# Altium PCB 6502_carrier.PcbDoc (part 1 of 2)
Units mil, origin at the board's own origin, x right, y up, seen from the top; angles counter-clockwise.
Board outline 6960 x 3485 mil, 2 copper layers (Top Layer, Bottom Layer); 111 components, 122 nets, 577 pads, 194 vias.
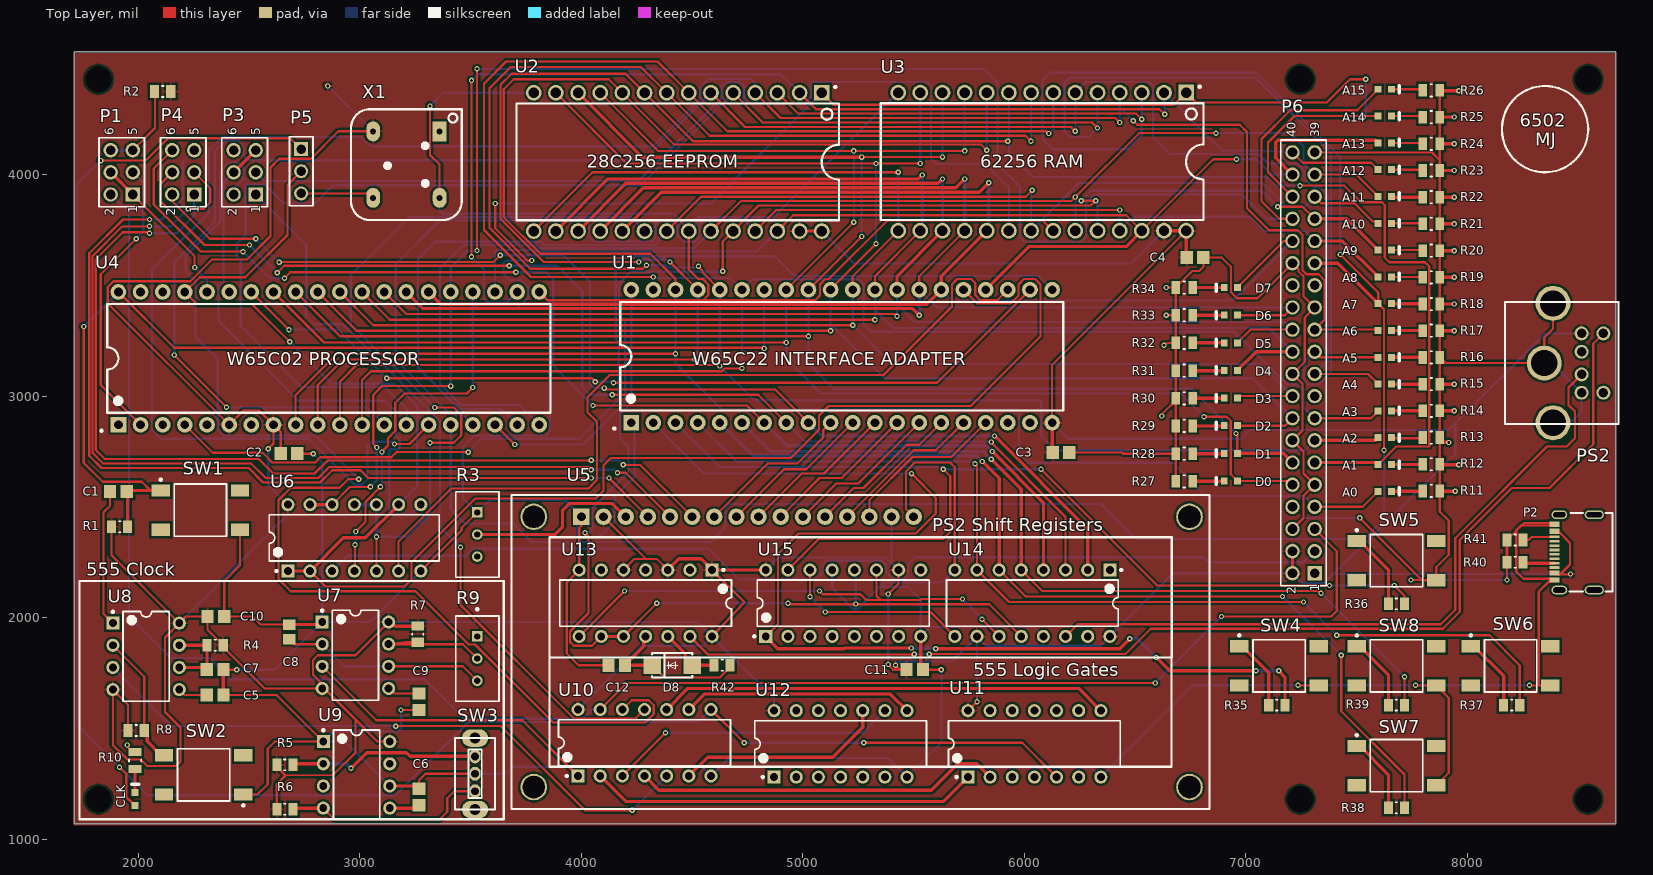
[diagram p0: Top Layer view]
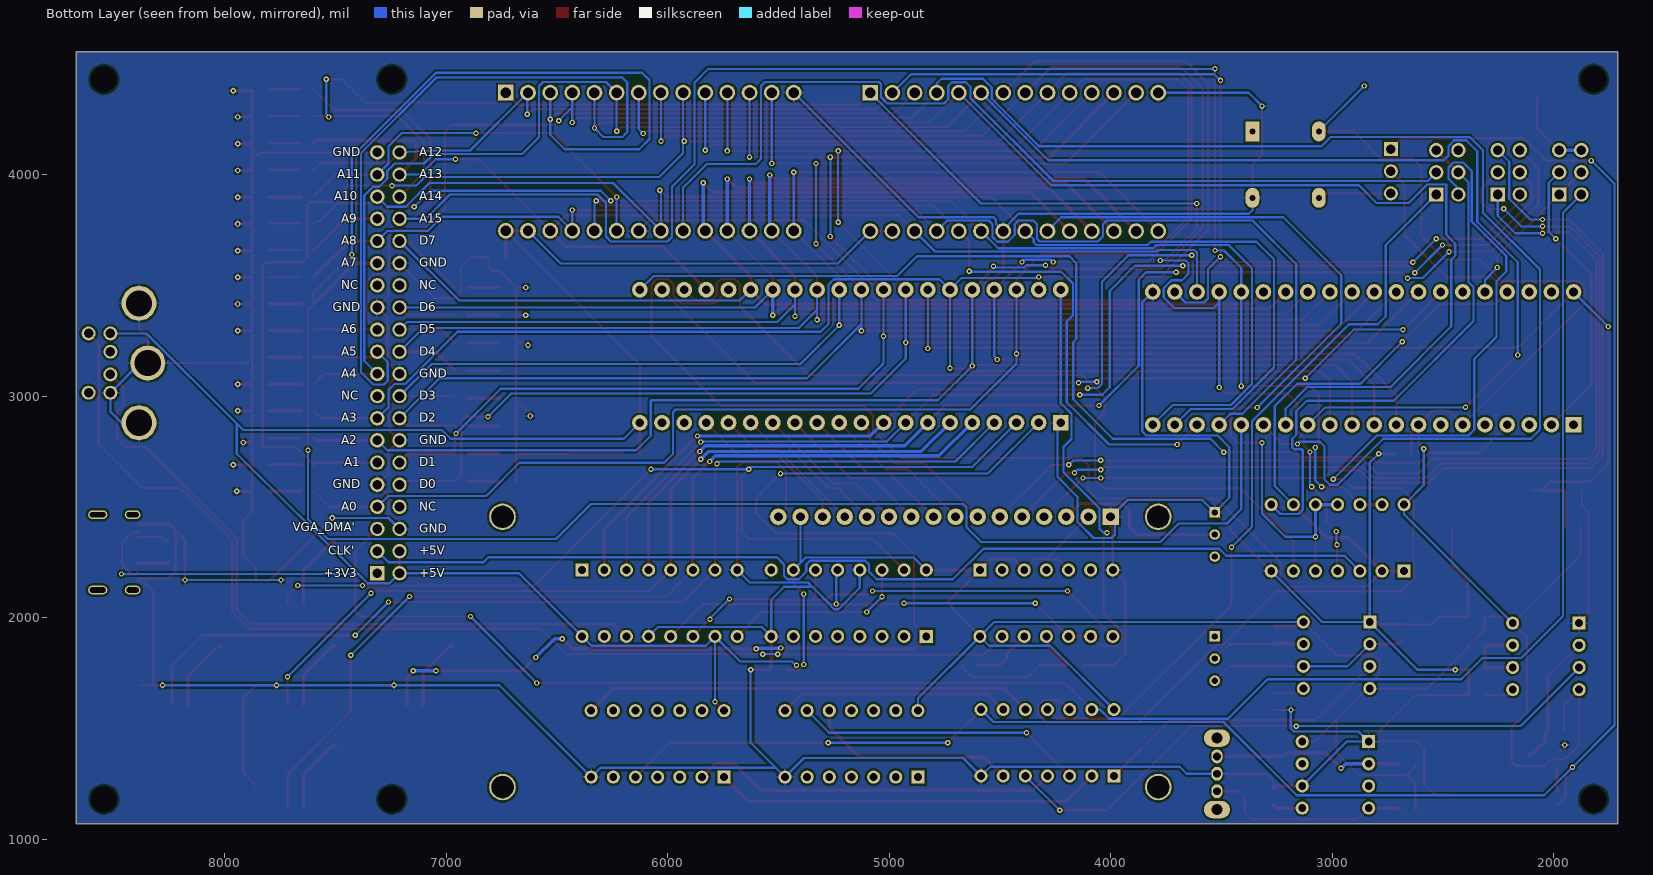
[diagram p1: Bottom Layer view, seen from below]

## Layer stack, top to bottom
Top Solder: solder mask 0.4, Solder Resist, Dk 3.5
Top Layer: signal copper 1.4
Dielectric 1: dielectric 12.6, FR-4, Dk 4.8
Bottom Layer: signal copper 1.4
Bottom Solder: solder mask 0.4, Solder Resist, Dk 3.5

## Board outline
1710,1070 8670,1070 8670,4555 1710,4555

## Design rules (kind name [scope] priority, off if disabled: settings)
Clearance [All] p1: gap=10 ignorepadtopadclearanceinfootprint=FALSE except(0: Arc-Hole Track-Hole SMDPad-Hole THPad-Hole Via-Hole Fill-Hole Poly-Hole Region-Hole Text-Hole; 5: Arc-Arc Arc-Track Arc-SMDPad Arc-Text Track-Track Track-SMDPad Track-Text SMDPad-SMDPad SMDPad-Text THPad-Text Via-Text Fill-Text Poly-Text Region-Text Text-Text; 7: Arc-THPad Arc-Via Track-THPad Track-Via SMDPad-THPad SMDPad-Via Via-Via)
HoleSize [All] p1: absolutevalues=TRUE maxlimit=200 minlimit=1 maxpercent=80.000 minpercent=20.000
MinimumSolderMaskSliver [All] p1: minsoldermaskwidth=4
PolygonConnect [All] p1: connectstyle=Relief reliefconductorwidth=10 reliefentries=4 polygonreliefangle="90 Angle" airgapwidth=10
RoomDefinition address_LEDs [InComponentClass('address_LEDs')] p1: confinementstyle=ConfineIn formatcopy=TRUE lockcomponents=FALSE outline 1000,1005 8670,1005 8670,5010 1000,5010
RoomDefinition config_headers [InComponentClass('config_headers')] p2: confinementstyle=ConfineIn formatcopy=TRUE lockcomponents=FALSE outline 1360,1875 7480,1875 7480,4910 1360,4910
RoomDefinition ps2_interface [InComponentClass('ps2_interface')] p3: confinementstyle=ConfineIn formatcopy=TRUE lockcomponents=FALSE outline 3775,1365 6990,1365 6990,3520 3775,3520
RoomDefinition 65c02 [InComponentClass('65c02')] p4: confinementstyle=ConfineIn formatcopy=TRUE lockcomponents=FALSE outline 1760,1025 7000,1025 7000,4555 1760,4555
RoomDefinition clock_module [InComponentClass('clock_module')] p5: confinementstyle=ConfineIn formatcopy=TRUE lockcomponents=FALSE outline 1635,990 6505,990 6505,2140 1635,2140
RoutingVias [All] p1: holewidth=12.2 width=24.02 viastyle="Through Hole" minholewidth=12.2 minwidth=24.02 maxholewidth=28 maxwidth=50
SilkToSilkClearance [All] p1: silktosilkclearance=4
SilkToSolderMaskClearance [IsPad] p1: minsilkscreentomaskgap=4 clearancetoexposedcopper=TRUE
SolderMaskExpansion SolderMaskExpansion_1 [IsVia] p1: expansion=4 istentingtop=TRUE
SolderMaskExpansion [All] p2: expansion=4 istentingtop=FALSE
Width [All] p1: maxlimit=30 minlimit=6 preferedwidth=10 minimp=50.000000 maximp=50.000000 favimp=50.000000
26 further rules are at their usual default settings.

## Classes and differential pairs
component class ps2_interface: C12 D8 PS2 R42 U13 U14 U15
component class config_headers: P1 P3 P4 P5 P6 R2
component class address_LEDs: A0 A1 A2 A3 A4 A5 A6 A7 A8 A9 A10 A11 A12 A13 A14 A15 D0 D1 D2 D3 D4 D5 D6 D7 P2 R11 R12 R13 R14 R15 R16 R17 R18 R19 R20 R21 R22 R23 R24 R25 R26 R27 R28 R29 R30 R31 R32 R33 R34 R35 R36 R37 R38 R39 R40 R41 SW4 SW5 SW6 SW7 SW8
component class clock_module: C5 C6 C7 C8 C9 C10 C11 R4 R5 R6 R7 R8 R10 SW2 SW3 U7 U8 U9 U10 U11 U12
component class 65c02: C1 C2 C3 C4 R1 R3 SW1 U1 U2 U3 U4 U5 U6 X1

## Components (designator, comment, footprint, x,y, rotation, side; value= is the part's Value field where it differs from the comment)
A0 "19-217/BHC-ZL1M2RY/3T" EVRL-0603-2_V 7626.61,2570 r0 top
A1 "19-217/BHC-ZL1M2RY/3T" EVRL-0603-2_V 7626.61,2691 r0 top
A2 "19-217/BHC-ZL1M2RY/3T" EVRL-0603-2_V 7626.61,2812 r0 top
A3 "19-217/BHC-ZL1M2RY/3T" EVRL-0603-2_V 7626.61,2933 r0 top
A4 "19-217/BHC-ZL1M2RY/3T" EVRL-0603-2_V 7626.61,3054 r0 top
A5 "19-217/BHC-ZL1M2RY/3T" EVRL-0603-2_V 7626.61,3175 r0 top
A6 "19-217/BHC-ZL1M2RY/3T" EVRL-0603-2_V 7626.61,3296 r0 top
A7 "19-217/BHC-ZL1M2RY/3T" EVRL-0603-2_V 7626.61,3417 r0 top
A8 "19-217/BHC-ZL1M2RY/3T" EVRL-0603-2_V 7626.61,3538 r0 top
A9 "19-217/BHC-ZL1M2RY/3T" EVRL-0603-2_V 7626.61,3659 r0 top
A10 "19-217/BHC-ZL1M2RY/3T" EVRL-0603-2_V 7626.61,3780 r0 top
A11 "19-217/BHC-ZL1M2RY/3T" EVRL-0603-2_V 7626.61,3901 r0 top
A12 "19-217/BHC-ZL1M2RY/3T" EVRL-0603-2_V 7626.61,4022 r0 top
A13 "19-217/BHC-ZL1M2RY/3T" EVRL-0603-2_V 7626.61,4143 r0 top
A14 "19-217/BHC-ZL1M2RY/3T" EVRL-0603-2_V 7626.61,4264 r0 top
A15 "19-217/BHC-ZL1M2RY/3T" EVRL-0603-2_V 7626.61,4385 r0 top
C1 "GRM21BR71H104KA01L" CAPC2013X135X45ML10T25 1910,2570 r0 top
C2 "GRM21BR71H104KA01L" CAPC2013X135X45ML10T25 2680,2740 r0 top
C3 "GRM21BR71H104KA01L" CAPC2013X135X45ML10T25 6165,2745 r0 top
C4 "GRM21BR71H104KA01L" CAPC2013X135X45ML10T25 6770,3625 r0 top
C5 "GRM216R71H103KA01D" CAPC2013X70X45ML10T25 2346.61,1650 r180 top
C6 "GRM216R71H103KA01D" CAPC2013X70X45ML10T25 3266.61,1190 r270 top
C7 "GRM21BR71H104KA01L" CAPC2013X135X45ML10T25 2346.61,1765 r0 top
C8 "GRM216R61E105KA12D" CAPC2013X70X45NL10T25 2681.61,1935 r90 top
C9 "GRM216R71H103KA01D" CAPC2013X70X45ML10T25 3266.61,1620 r90 top
C10 "GRM21BR71H104KA01L" CAPC2013X135X45ML10T25 2350,2005 r0 top
C11 "GRM21BR71H104KA01L" CAPC2013X135X45ML10T25 5505,1765 r0 top
C12 "GRM21BR71H104KA01L" CAPC2013X135X45ML10T25 4160,1785 r180 top
CLK "19-217/BHC-ZL1M2RY/3T" EVRL-0603-2_V 1985,1181.61 r90 top (schematic designator DS1)
D0 "19-217/GHC-YR1S2/3T" EVRL-0603-2_V 6931.61,2616.61 r180 top
D1 "19-217/GHC-YR1S2/3T" EVRL-0603-2_V 6931.61,2741.38 r180 top
D2 "19-217/GHC-YR1S2/3T" EVRL-0603-2_V 6931.61,2866.15 r180 top
D3 "19-217/GHC-YR1S2/3T" EVRL-0603-2_V 6931.61,2990.92 r180 top
D4 "19-217/GHC-YR1S2/3T" EVRL-0603-2_V 6931.61,3115.69 r180 top
D5 "19-217/GHC-YR1S2/3T" EVRL-0603-2_V 6931.61,3240.46 r180 top
D6 "19-217/GHC-YR1S2/3T" EVRL-0603-2_V 6931.61,3365.23 r180 top
D7 "19-217/GHC-YR1S2/3T" EVRL-0603-2_V 6931.61,3490 r180 top
D8 "Diode, General Purpose" DO-214AC/SMA 4410,1785 r0 top
P1 "61300621121" 61300621121 1925,4010 r90 top
P2 "USB-310D-B-SU" USB-C-THT 8510,2299.53 r90 top
P3 "61300621121" 61300621121 2480,4010 r90 top
P4 "61300621121" 61300621121 2202.5,4010 r90 top
P5 "61300311121" 61300311121 2735,4015 r270 top
P6 "61304021121" 61304021121 7260,3150 r90 top
PS2 "DS1093-01-PN60" PS2_PORT 8411.7,3148.9 r270 top
R1 "CRCW08051K00FKEA" RESC2013X50X30NL20T20 1915,2410 r0 top
R2 "CRCW08051K00FKEA" RESC2013X50X30NL20T20 2110,4375 r180 top
R3 "3296W-1-103RLF" FP-3296W-MFG#1 3530.2,2375 r180 top
R4 "CRCW08051M00JNEA" RESC2013X50X30NL20T20 2346.61,1875 r180 top
R5 "CRCW08051K00FKEA" RESC2013X50X30NL20T20 2661.61,1335 r180 top
R6 "CRCW08051K00FKEA" RESC2013X50X30NL20T20 2661.61,1135 r180 top
R7 "CRCW08051K00FKEA" RESC2013X50X30NL20T20 3261.61,1925 r270 top
R8 "CRCW08051K00FKEA" RESC2013X50X30NL20T20 1990,1490 r180 top
R9 "3296W-1-105LF" FP-3296W-MFG#2 3530.2,1815 r90 top value=1MΩ
R10 "CRCW0805220RFKEA" FP-CRCW0805-e3-MFG 1985,1355 r90 top
R11 "CRCW0805220RFKEA" FP-CRCW0805-e3-MFG 7836.61,2571.62 r0 top
R12 "CRCW0805220RFKEA" FP-CRCW0805-e3-MFG 7836.61,2692.18 r0 top
R13 "CRCW0805220RFKEA" FP-CRCW0805-e3-MFG 7836.61,2812.73 r0 top
R14 "CRCW0805220RFKEA" FP-CRCW0805-e3-MFG 7836.61,2933.29 r0 top
R15 "CRCW0805220RFKEA" FP-CRCW0805-e3-MFG 7836.61,3053.85 r0 top
R16 "CRCW0805220RFKEA" FP-CRCW0805-e3-MFG 7836.61,3174.41 r0 top
R17 "CRCW0805220RFKEA" FP-CRCW0805-e3-MFG 7836.61,3294.97 r0 top
R18 "CRCW0805220RFKEA" FP-CRCW0805-e3-MFG 7836.61,3415.53 r0 top
R19 "CRCW0805220RFKEA" FP-CRCW0805-e3-MFG 7836.61,3536.09 r0 top
R20 "CRCW0805220RFKEA" FP-CRCW0805-e3-MFG 7836.61,3656.65 r0 top
R21 "CRCW0805220RFKEA" FP-CRCW0805-e3-MFG 7836.61,3777.21 r0 top
R22 "CRCW0805220RFKEA" FP-CRCW0805-e3-MFG 7836.61,3897.76 r0 top
R23 "CRCW0805220RFKEA" FP-CRCW0805-e3-MFG 7836.61,4018.32 r0 top
R24 "CRCW0805220RFKEA" FP-CRCW0805-e3-MFG 7836.61,4138.88 r0 top
R25 "CRCW0805220RFKEA" FP-CRCW0805-e3-MFG 7836.61,4259.44 r0 top
R26 "CRCW0805220RFKEA" FP-CRCW0805-e3-MFG 7836.61,4380 r0 top
R27 "CRCW0805220RFKEA" FP-CRCW0805-e3-MFG 6721.61,2615 r180 top
R28 "CRCW0805220RFKEA" FP-CRCW0805-e3-MFG 6721.61,2740 r180 top
R29 "CRCW0805220RFKEA" FP-CRCW0805-e3-MFG 6721.61,2865 r180 top
R30 "CRCW0805220RFKEA" FP-CRCW0805-e3-MFG 6721.61,2990 r180 top
R31 "CRCW0805220RFKEA" FP-CRCW0805-e3-MFG 6721.61,3115 r180 top
R32 "CRCW0805220RFKEA" FP-CRCW0805-e3-MFG 6721.61,3240 r180 top
R33 "CRCW0805220RFKEA" FP-CRCW0805-e3-MFG 6721.61,3365 r180 top
R34 "CRCW0805220RFKEA" FP-CRCW0805-e3-MFG 6721.61,3490 r180 top
R35 "CRCW08051K00FKEA" RESC2013X50X30NL20T20 7139.53,1605 r180 top
R36 "CRCW08051K00FKEA" RESC2013X50X30NL20T20 7679.53,2061.77 r180 top
R37 "CRCW08051K00FKEA" RESC2013X50X30NL20T20 8199.53,1605 r180 top
R38 "CRCW08051K00FKEA" RESC2013X50X30NL20T20 7679.53,1141.77 r180 top
R39 "CRCW08051K00FKEA" RESC2013X50X30NL20T20 7679.53,1605 r180 top
R40 "0805W8F5101T5E" RESC2013X50X30NL20T20 8215,2250 r0 top
R41 "0805W8F5101T5E" RESC2013X50X30NL20T20 8215,2350 r0 top
R42 "0805W8F3302T5E" RESC2013X50X30NL20T20 4635,1785 r0 top
SW1 "K2-1102SP-C4SC-04" TECO-FSM4JSMA_V 2280,2485 r90 top
SW2 "K2-1102SP-C4SC-04" TECO-FSM4JSMA_V 2295,1290 r270 top
SW3 "SS-12D02-VG4" 5_2-54mm_SPDT 3520,1295 r270 top
SW4 "K2-1102SP-C4SC-04" TECO-FSM4JSMA_V 7149.53,1781.77 r90 top
SW5 "K2-1102SP-C4SC-04" TECO-FSM4JSMA_V 7679.53,2256.77 r90 top
SW6 "K2-1102SP-C4SC-04" TECO-FSM4JSMA_V 8194.53,1781.77 r90 top
SW7 "K2-1102SP-C4SC-04" TECO-FSM4JSMA_V 7679.53,1331.77 r90 top
SW8 "K2-1102SP-C4SC-04" TECO-FSM4JSMA_V 7679.53,1781.77 r90 top
U1 "WD65C22 I/O Controller" PDIP_40 5173.82,3193.39 r0 top
U2 "AT28C256" DIP_28 4456.18,4065.45 r180 top
U3 "62256" DIP_28 6101.18,4066.47 r180 top
U4 "6502 Processor" PDIP_40 2858.82,3183.39 r0 top
U5 "2X16 LCD Display" LCD_2x16 5225,1775 r0 top
U6 "74HC00N" NXP-SOT27-1-14 2975,2360 r90 top
U7 "LM555CN" N08E 2980,1830 r0 top
U8 "LM555CN" N08E 2035,1825 r0 top
U9 "LM555CN" N08E 2985,1290 r0 top
U10 "SN74LS08N" N0014A 4285,1435 r90 top
U11 "SN74LS04N" N0014A 6045,1430 r90 top
U12 "SN74LS32N" N0014A 5170,1430 r90 top
U13 "SN74HC14N" N0014A 4290,2065 r270 top
U14 "SN74HC595N" N0016A 6035.71,2065 r270 top
U15 "SN74HC595N" N0016A 5182.15,2065 r90 top
X1 "OSC-12.9MM-1MHZ" OSC_THT_12-9MM 3205,4040 r180 top

## Footprints (in the part's own frame and the unit in brackets; to place one, negate y for a bottom-side part, rotate by r counter-clockwise, add the part's x,y. Pads: shape width x height; smd on the part's side, far side on the other; paste and mask are expansions set on the pad)
5_2-54mm_SPDT [mm]
  oval 1.6x1.3 hole 0.9: 1(-1.993,0) 2(0,0) 3(2.007,0)
  oval 2x3 hole 1.3: 4(4.107,0) 5(-4.093,0)
  silkscreen extent -4.09,-2.29 4.11,2.29, body extent -5.08,-2.41 5.08,2.41, height 8
61300311121 [mm] "Pin Header, pitch 2.54 mm, THT, Vertical, single row, 3p"
  rect 1.6x1.6 hole 1.1: 1(-2.54,0)
  round 1.6 hole 1.1: 2(0,0) 3(2.54,0)
  silkscreen extent -3.96,-1.34 3.96,1.34, body extent -3.81,-1.27 3.81,1.27, height 8.57
61300621121 [mm] "Pin Header, pitch 2.54 mm, THT, Vertical, dual row, 6p"
  rect 1.65x1.65 hole 1.1: 1(-2.54,-1.27)
  round 1.65 hole 1.1: 2(-2.54,1.27) 3(0,-1.27) 4(0,1.27) 5(2.54,-1.27) 6(2.54,1.27)
  silkscreen extent -3.96,-2.61 3.96,2.61, body extent -3.81,-2.54 3.81,2.54, height 8.59
61304021121 [mm] "Pin Header, pitch 2.54 mm, THT, Vertical, dual row, 40p"
  rect 1.65x1.65 hole 1.1: 1(-24.13,-1.27)
  round 1.65 hole 1.1: 2(-24.13,1.27) 3(-21.59,-1.27) 4(-21.59,1.27) 5(-19.05,-1.27) 6(-19.05,1.27) 7(-16.51,-1.27) 8(-16.51,1.27) 9(-13.97,-1.27) 10(-13.97,1.27) 11(-11.43,-1.27) 12(-11.43,1.27) 13(-8.89,-1.27) 14(-8.89,1.27) 15(-6.35,-1.27) 16(-6.35,1.27) 17(-3.81,-1.27) 18(-3.81,1.27) 19(-1.27,-1.27) 20(-1.27,1.27) 21(1.27,-1.27) 22(1.27,1.27) 23(3.81,-1.27) 24(3.81,1.27) 25(6.35,-1.27) 26(6.35,1.27) 27(8.89,-1.27) 28(8.89,1.27) 29(11.43,-1.27) 30(11.43,1.27) 31(13.97,-1.27) 32(13.97,1.27) 33(16.51,-1.27) 34(16.51,1.27) 35(19.05,-1.27) 36(19.05,1.27) 37(21.59,-1.27) 38(21.59,1.27) 39(24.13,-1.27) 40(24.13,1.27)
  silkscreen extent -25.55,-2.61 25.55,2.61, body extent -25.4,-2.54 25.4,2.54, height 8.59
CAPC2013X70X45ML10T25 [mm] "Chip Capacitor, 2-Leads, Body 2.00x1.25mm, IPC Low Density"
  rect 1.4x1.5 smd: 1(-0.95,0) 2(0.95,0)
  body extent -1.05,-0.67 1.05,0.67, height 0.7
CAPC2013X70X45NL10T25 [mm] "Chip Capacitor, 2-Leads, Body 2.00x1.25mm, IPC Medium Density"
  rect 1.2x1.4 smd: 1(-0.85,0) 2(0.85,0)
  body extent -1.05,-0.67 1.05,0.67, height 0.7
CAPC2013X135X45ML10T25 [mm] "Chip Capacitor, 2-Leads, Body 2.10x1.35mm, IPC Low Density"
  rect 1.4x1.5 smd: 1(-0.95,0) 2(0.95,0)
  body extent -1.05,-0.67 1.05,0.67, height 1.35
DIP_28 [mm]
  rect 1.8x1.8 hole 1.2: 1(-15.972,-7.71)
  round 1.8 hole 1.2: 2(-13.432,-7.71) 3(-10.892,-7.71) 4(-8.352,-7.71) 5(-5.812,-7.71) 6(-3.272,-7.71) 7(-0.732,-7.71) 8(1.808,-7.71) 9(4.348,-7.71) 10(6.888,-7.71) 11(9.428,-7.71) 12(11.968,-7.71) 13(14.508,-7.71) 14(17.048,-7.71) 15(17.048,8.139) 16(14.508,8.139) 17(11.968,8.139) 18(9.428,8.139) 19(6.888,8.139) 20(4.348,8.139) 21(1.808,8.139) 22(-0.732,8.139) 23(-3.272,8.139) 24(-5.812,8.139) 25(-8.352,8.139) 26(-10.892,8.139) 27(-13.432,8.139) 28(-15.972,8.139)
  silkscreen extent -17.96,-8.51 19.04,6.91, body extent -18.67,-6.42 19.43,6.93, height 4.83
DO-214AC/SMA [mm]
  rect 2x2 smd: 1(-2.302,0.003) 2(2.298,0.003)
  silkscreen extent -2.3,-1.4 2.3,1.4, body extent -2.29,-1.4 2.29,1.4, height 1.3
EVRL-0603-2_V [mm] "SMD, 2-Leads, Body 1.6x0.8mm"
  rect 0.8x0.8 smd: 1(-0.75,0) 2(0.75,0)
  silkscreen extent 1.65,-0.4 1.65,0.4, body extent -0.8,-0.4 0.8,0.4, height 0.5
FP-3296W-MFG#1 [mm]
  rect 1.2x1.2 hole 0.7 paste-1000 mask+0: 1(0.005,-2.54)
  round 1.2 hole 0.7 paste-1000 mask+0: 2(0.005,0) 3(0.005,2.54)
  silkscreen extent -2.48,-4.89 2.48,4.89, body extent -2.58,-4.99 2.58,4.99, height 0.25
FP-3296W-MFG#2 [mm]
  rect 1.2x1.2 hole 0.7 paste-1000 mask+0: 1(2.54,0.005)
  round 1.2 hole 0.7 paste-1000 mask+0: 2(0,0.005) 3(-2.54,0.005)
  silkscreen extent -4.89,-2.48 5.77,2.48, body extent -4.99,-2.58 4.99,2.58, height 0.25
FP-CRCW0805-e3-MFG [mm]
  rect 0.95x1.45 smd paste+0 mask+0: 1(-0.975,0) 2(0.975,0)
  silkscreen extent -0.13,-0.7 0.13,0.7, body extent -1.55,-0.82 1.55,0.82, height 0.25
LCD_2x16 [mil]
  round 120 hole 100 slot 100.2 at 0 deg: 0(-1440,-540) 0(-1440,680) 0(1520,-540) 0(1520,680)
  rect 74x74 hole 40: 1(-1225,680)
  round 74 hole 40: 2(-1125,680) 3(-1025,680) 4(-925,680) 5(-825,680) 6(-725,680) 7(-625,680) 8(-525,680) 9(-425,680) 10(-325,680) 11(-225,680) 12(-125,680) 13(-25,680) 14(75,680) 15(175,680) 16(275,680)
  silkscreen extent -1540,-639 1610,779, body extent -1540,-640 1610,775, height 437
N08E [mm] "DIP, 8-Pin, Row Spacing 7.62 mm, Pitch 2.54 mm"
  rect 1.5x1.5 hole 0.9: 1(-3.81,3.81)
  round 1.5 hole 0.9: 2(-3.81,1.27) 3(-3.81,-1.27) 4(-3.81,-3.81) 5(3.81,-3.81) 6(3.81,-1.27) 7(3.81,1.27) 8(3.81,3.81)
  silkscreen extent -3.93,-5.15 2.65,5.23, body extent -3.6,-5.15 3.6,5.15, height 5.33
N0014A [mm] "DIP, 14-Leads, Body 19.7x6.6mm, Pitch 2.54mm"
  rect 1.5x1.5 hole 0.9: 1(-3.81,7.62)
  round 1.5 hole 0.9: 2(-3.81,5.08) 3(-3.81,2.54) 4(-3.81,0) 5(-3.81,-2.54) 6(-3.81,-5.08) 7(-3.81,-7.62) 8(3.81,-7.62) 9(3.81,-5.08) 10(3.81,-2.54) 11(3.81,0) 12(3.81,2.54) 13(3.81,5.08) 14(3.81,7.62)
  silkscreen extent -3.93,-9.85 2.65,9.85, body extent -3.95,-9.85 3.95,9.85, height 5.08
N0016A [mm] "DIP, 16-Leads, Body 19.7x6.6mm, Pitch 2.54mm"
  rect 1.5x1.5 hole 0.9: 1(-3.81,8.89)
  round 1.5 hole 0.9: 2(-3.81,6.35) 3(-3.81,3.81) 4(-3.81,1.27) 5(-3.81,-1.27) 6(-3.81,-3.81) 7(-3.81,-6.35) 8(-3.81,-8.89) 9(3.81,-8.89) 10(3.81,-6.35) 11(3.81,-3.81) 12(3.81,-1.27) 13(3.81,1.27) 14(3.81,3.81) 15(3.81,6.35) 16(3.81,8.89)
  silkscreen extent -3.93,-9.85 2.65,10.32, body extent -3.95,-9.85 3.95,9.85, height 5.08
NXP-SOT27-1-14 [mm] "DIP, 14-Leads, Body 19.5x6.5mm, Pitch 2.54mm"
  rect 1.5x1.5 hole 0.9: 1(-3.81,7.62)
  round 1.5 hole 0.9: 2(-3.81,5.08) 3(-3.81,2.54) 4(-3.81,0) 5(-3.81,-2.54) 6(-3.81,-5.08) 7(-3.81,-7.62) 8(3.81,-7.62) 9(3.81,-5.08) 10(3.81,-2.54) 11(3.81,0) 12(3.81,2.54) 13(3.81,5.08) 14(3.81,7.62)
  silkscreen extent -3.93,-9.75 2.65,9.75, body extent -3.95,-9.75 3.95,9.75, height 4.2
OSC_THT_12-9MM [mil]
  rect 62x90 hole 27.56: 1(-155,-155)
  oval 62x90 hole 27.56: 2(145,-155) 3(145,145) 4(-155,145)
  silkscreen extent -255,-255 245,245, body extent -260,-260 250,250, height 220
PDIP_40 [mm]
  rect 1.8x1.8 hole 1: 1(-24.1,-7.96)
  round 1.8 hole 1: 2(-21.56,-7.96) 3(-19.02,-7.96) 4(-16.48,-7.96) 5(-13.94,-7.96) 6(-11.4,-7.96) 7(-8.86,-7.96) 8(-6.32,-7.96) 9(-3.78,-7.96) 10(-1.24,-7.96) 11(1.3,-7.96) 12(3.84,-7.96) 13(6.38,-7.96) 14(8.92,-7.96) 15(11.46,-7.96) 16(14,-7.96) 17(16.54,-7.96) 18(19.08,-7.96) 19(21.62,-7.96) 20(24.16,-7.96) 21(24.16,7.28) 22(21.62,7.28) 23(19.08,7.28) 24(16.54,7.28) 25(14,7.28) 26(11.46,7.28) 27(8.92,7.28) 28(6.38,7.28) 29(3.84,7.28) 30(1.3,7.28) 31(-1.24,7.28) 32(-3.78,7.28) 33(-6.32,7.28) 34(-8.86,7.28) 35(-11.4,7.28) 36(-13.94,7.28) 37(-16.48,7.28) 38(-19.02,7.28) 39(-21.56,7.28) 40(-24.1,7.28)
  silkscreen extent -26.16,-8.76 25.43,5.88, body extent -26.65,-7.75 27.05,6.85, height 6.35
PS2_PORT [mm]
  round 1.6 hole 1.1: 1(1.3,2.629) 2(-1.3,2.629) 3(3.401,2.624) 4(-3.401,2.624) 5(3.399,5.128) 6(-3.401,5.128)
  round 4 hole 3: 7(0,-1.651) 8(-6.85,-0.653) 9(6.85,-0.653)
  silkscreen extent -7,-6.15 7,6.85, body extent -8.76,-6.35 8.89,6.99, height 13
RESC2013X50X30NL20T20 [mm] "Chip Resistor, 2-Leads, Body 2.00x1.25mm, IPC Medium Density"
  rect 1.05x1.45 smd: 1(-0.925,0) 2(0.925,0)
  silkscreen extent -0.1,-0.62 0.1,0.62, body extent -1.1,-0.72 1.1,0.72, height 0.5
TECO-FSM4JSMA_V [mm] "SMD, 4-Leads, Body 6x6mm, Pitch 4.5mm"
  rect 1.4x2.1 smd: 1(2.25,4.55) 2(2.25,-4.55) 3(-2.25,4.55) 4(-2.25,-4.55)
  silkscreen extent -3,-3 3.62,4.67, body extent -3,-5 3,5, height 5.08
USB-C-THT [mm]
  oval 1x1.8 hole 0.6 slot 1.4 at 90 deg: 13(4.195,2.413) 16(-4.445,2.413)
  oval 1x2.2 hole 0.6 slot 1.8 at 90 deg: 14(4.195,-1.587) 15(-4.445,-1.587)
  rect 0.3x1.15 smd: A1(-3.46,2.988) A1(-3.16,2.988) A4(-2.66,2.988) A4(-2.36,2.988) A5(-1.36,2.988) A6(-0.36,2.988) A6(0.64,2.988) A7(-0.86,2.988) A7(0.14,2.988) A8(1.14,2.988) A9(2.14,2.988) A9(2.44,2.988) A12(2.94,2.988) A12(3.24,2.988) B5(1.64,2.988) B8(-1.86,2.988)
  silkscreen extent -4.61,-3.69 4.39,1.26, body extent -5,-5.98 4.75,3.69, height 0.25
